# KiCad board ovc5.kicad_pcb
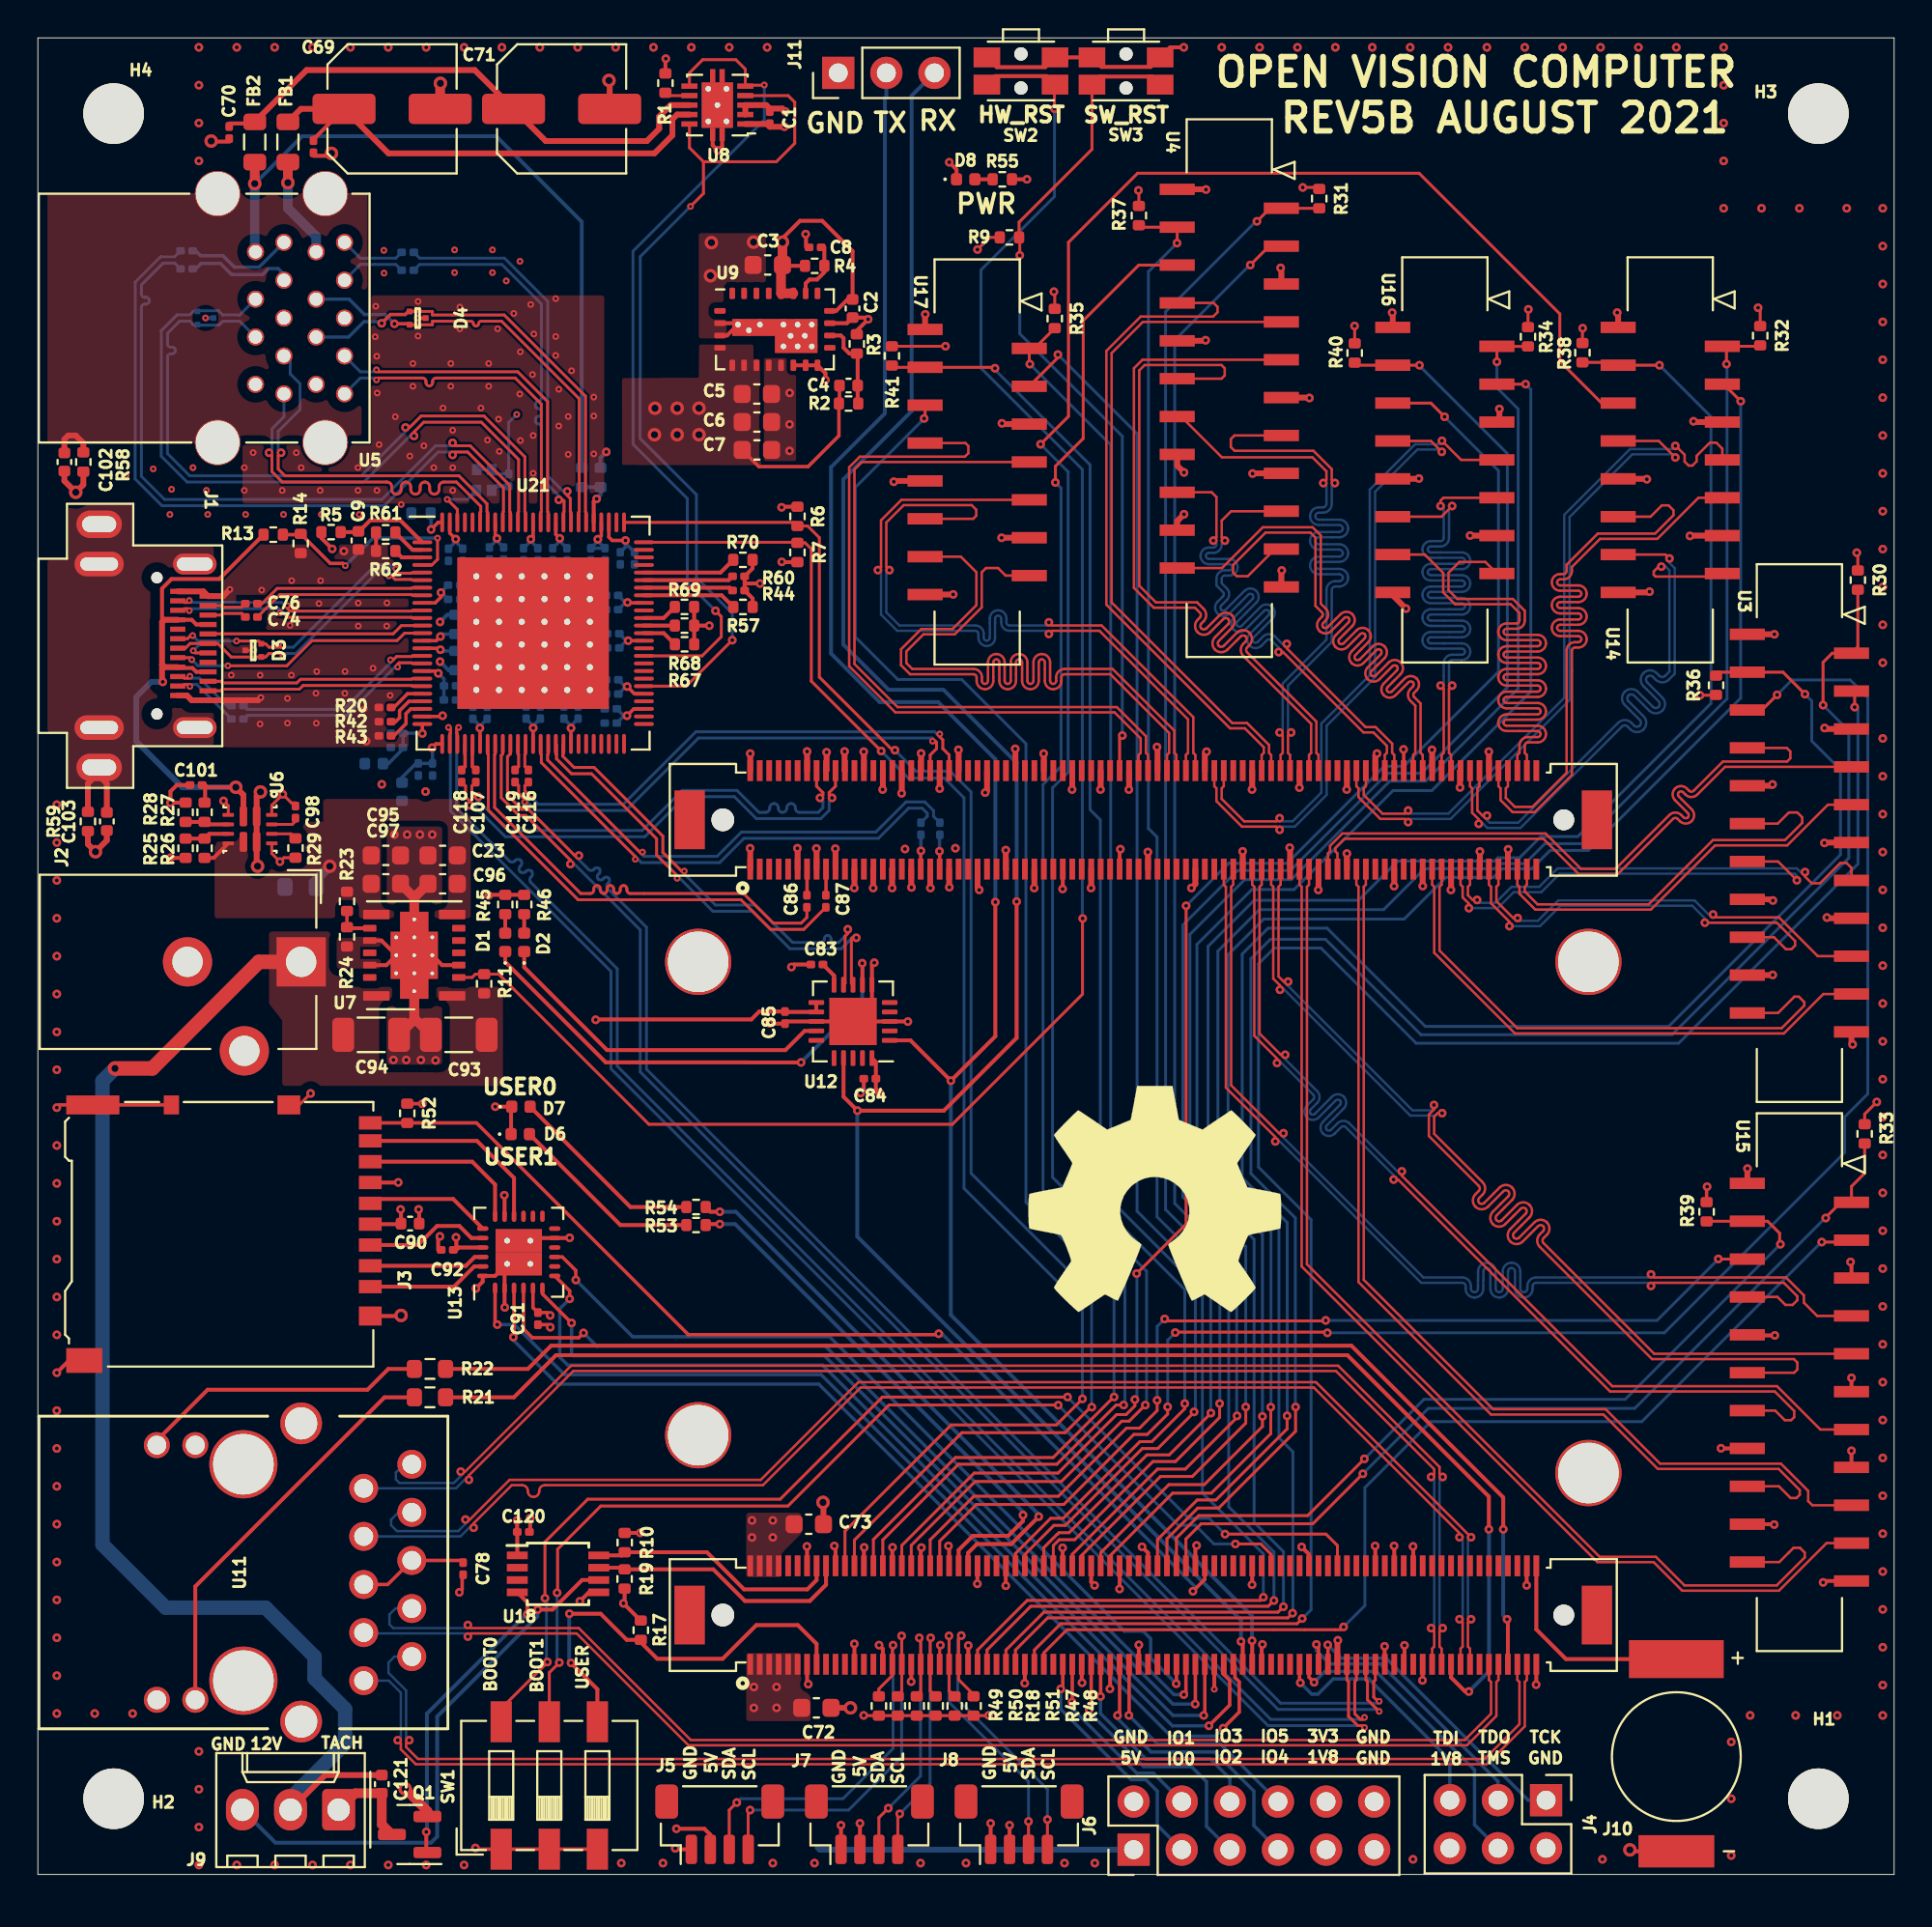
[diagram p0: board, top side]
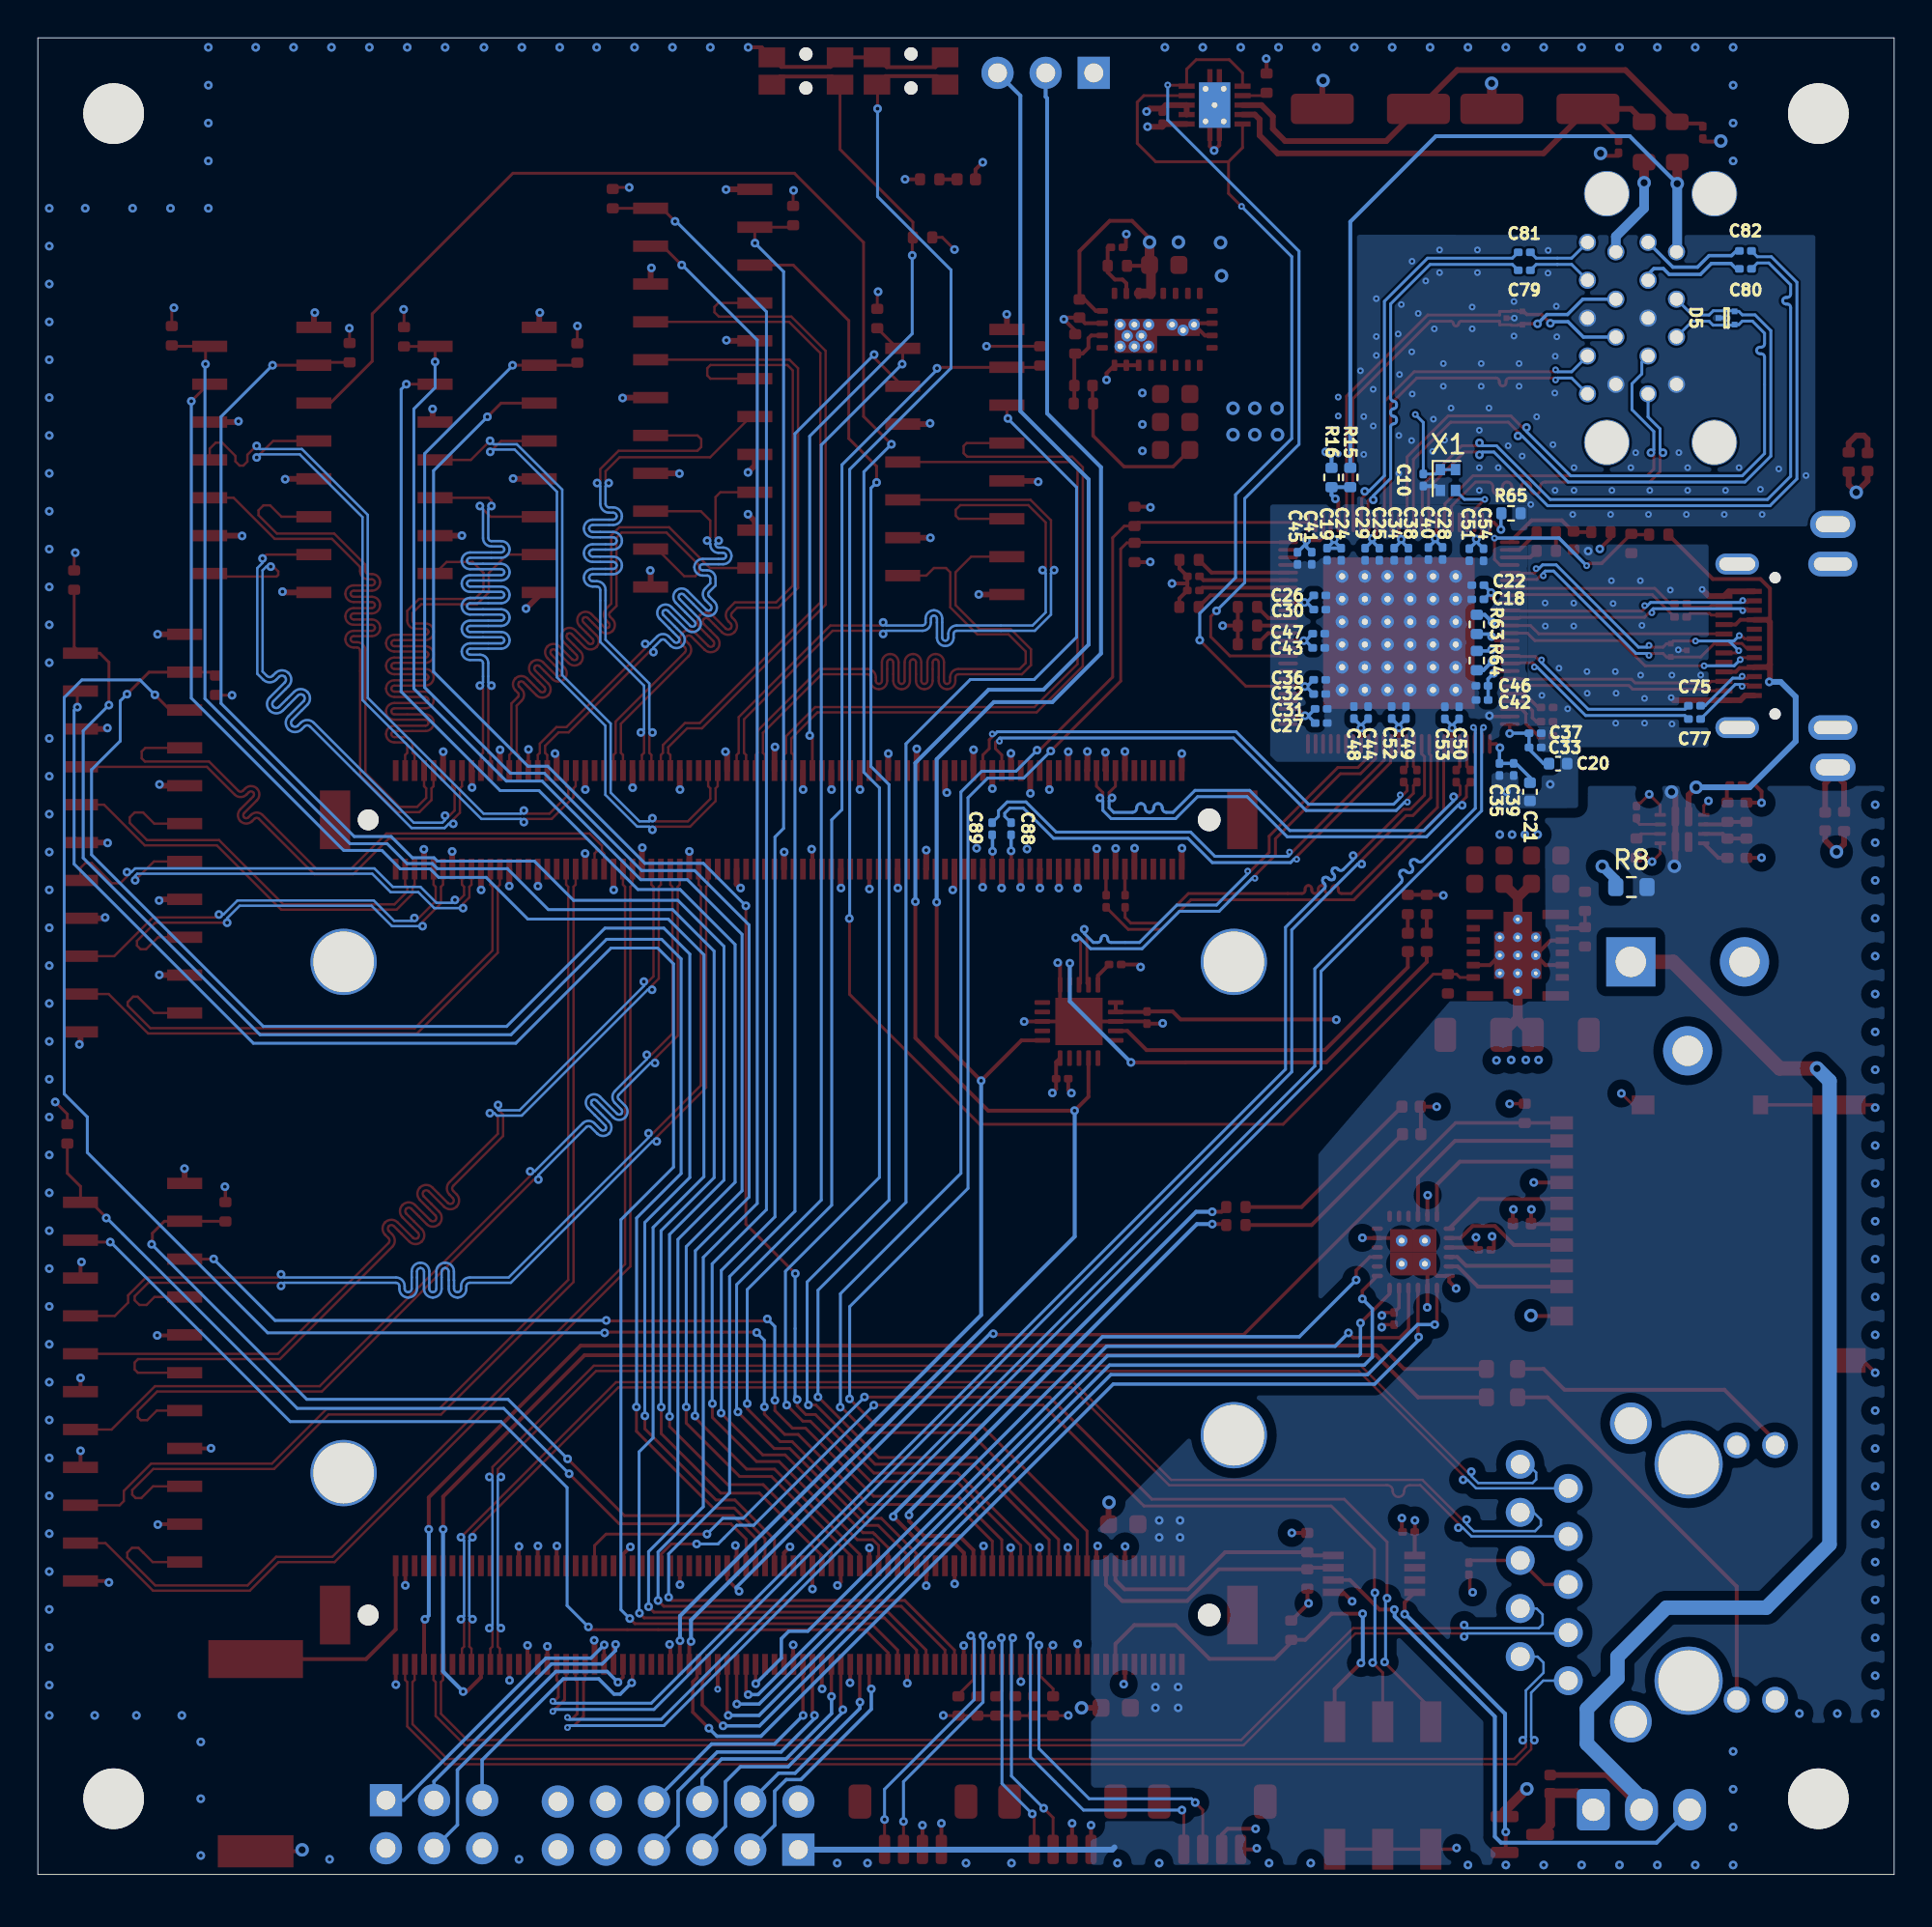
[diagram p1: board, bottom side, seen from below]

Outline 98 x 97 mm; copper layers: Top, In1.Cu, In2.Cu, In3.Cu, In4.Cu, Bottom. Coordinates in mm from the lower left corner of the outline.
Outline path: 0,97 0,0 98,0 98,97 0,97
Stack: Top 0.035mm / dielectric 0.268mm FR4 er 4.5 / In1.Cu 0.035mm / dielectric 0.268mm FR4 er 4.5 / In2.Cu 0.035mm / dielectric 0.268mm FR4 er 4.5 / In3.Cu 0.035mm / dielectric 0.268mm FR4 er 4.5 / In4.Cu 0.035mm / dielectric 0.268mm FR4 er 4.5 / Bottom 0.035mm

## Placement (name value [footprint] x y rotation side)
C1  100n  [C_0201_0603Metric]  38.64 92.78 270 top
C2  1u  [C_0402_1005Metric]  43.01 82.71 270 top
C3  22u  [C_0603_1608Metric]  38.53 85.01 180 top
C4  10p  [C_0402_1005Metric]  42.8 78.64 0 top
C5  22u  [C_0603_1608Metric]  37.95 78.19 0 top
C6  22u  [C_0603_1608Metric]  37.96 76.71 0 top
C7  22u  [C_0603_1608Metric]  37.96 75.24 0 top
C8  100n  [C_0201_0603Metric]  41.03 85.94 180 top
C9  1u  [C_0402_1005Metric]  16.92 70.46 270 top
C10  100n  [C_0201_0603Metric]  24.86 73.65 90 bottom
C18  100n  [C_0201_0603Metric]  21.98 67.35 0 bottom
C19  100n  [C_0201_0603Metric]  29.94 69.73 270 bottom
C20  4u7  [C_0402_1005Metric]  17.74 58.67 180 bottom
C21  4u7  [C_0402_1005Metric]  19.23 57.18 270 bottom
C22  1n  [C_0201_0603Metric]  21.98 68.09 0 bottom
C23  22u  [C_0603_1608Metric]  21.37 53.82 180 top
C24  1n  [C_0201_0603Metric]  29.19 69.73 270 bottom
C25  100n  [C_0201_0603Metric]  27.18 69.72 270 bottom
C26  100n  [C_0201_0603Metric]  30.32 67.55 180 bottom
C27  100n  [C_0201_0603Metric]  30.25 60.81 180 bottom
C28  1n  [C_0201_0603Metric]  23.84 69.77 270 bottom
C29  1n  [C_0201_0603Metric]  27.93 69.73 270 bottom
C30  1n  [C_0201_0603Metric]  30.32 66.8 180 bottom
C31  1n  [C_0201_0603Metric]  30.25 61.56 180 bottom
C32  100n  [C_0201_0603Metric]  30.33 62.34 180 bottom
C33  100n  [C_0201_0603Metric]  18.95 59.53 180 bottom
C34  100n  [C_0201_0603Metric]  26.39 69.73 270 bottom
C35  100n  [C_0201_0603Metric]  20.84 58.36 270 bottom
C36  1n  [C_0201_0603Metric]  30.33 63.1 180 bottom
C37  1n  [C_0201_0603Metric]  18.95 60.28 180 bottom
C38  1n  [C_0201_0603Metric]  25.64 69.73 270 bottom
C39  1n  [C_0201_0603Metric]  20.09 58.36 270 bottom
C40  100n  [C_0201_0603Metric]  24.59 69.76 270 bottom
C41  100n  [C_0201_0603Metric]  30.75 69.51 270 bottom
C42  100n  [C_0201_0603Metric]  21.75 62.03 0 bottom
C43  100n  [C_0201_0603Metric]  30.38 64.78 180 bottom
C44  100n  [C_0201_0603Metric]  27.77 61.37 90 bottom
C45  1n  [C_0201_0603Metric]  31.5 69.51 270 bottom
C46  1n  [C_0201_0603Metric]  21.76 62.78 0 bottom
C47  1n  [C_0201_0603Metric]  30.38 65.53 180 bottom
C48  1n  [C_0201_0603Metric]  28.52 61.37 90 bottom
C49  100n  [C_0201_0603Metric]  25.77 61.37 90 bottom
C50  100n  [C_0201_0603Metric]  22.97 61.35 90 bottom
C51  100n  [C_0201_0603Metric]  22.43 69.7 270 bottom
C52  1n  [C_0201_0603Metric]  26.53 61.37 90 bottom
C53  1n  [C_0201_0603Metric]  23.72 61.35 90 bottom
C54  1n  [C_0201_0603Metric]  21.68 69.7 270 bottom
C68  100n  [C_0201_0603Metric]  14.55 91.25 270 top
C69  150u  [C_Elec_6.3x7.7]  18.7 93.25 0 top
C70  100n  [C_0201_0603Metric]  10.1 92 270 top
C71  150u  [C_Elec_6.3x7.7]  27.65 93.25 0 top
C72  22u  [C_0603_1608Metric]  41.1 8.8 0 top
C73  22u  [C_0603_1608Metric]  40.7 18.5 0 top
C74  100n  [C_0201_0603Metric]  11.27 66.42 0 top
C75  100n  [C_0201_0603Metric]  10.54 61.72 0 bottom
C76  100n  [C_0201_0603Metric]  11.27 67.12 0 top
C77  100n  [C_0201_0603Metric]  10.54 61.02 0 bottom
C78  100n  [C_0201_0603Metric]  22.45 16.15 270 top
C79  100n  [C_0201_0603Metric]  19.52 84.72 0 bottom
C80  100n  [C_0201_0603Metric]  7.85 84.8 180 bottom
C81  100n  [C_0201_0603Metric]  19.52 85.67 0 bottom
C82  100n  [C_0201_0603Metric]  7.85 85.75 180 bottom
C83  100n  [C_0201_0603Metric]  41.13 48.06 0 top
C84  100n  [C_0201_0603Metric]  43.92 42.03 0 top
C85  100n  [C_0201_0603Metric]  39.44 45.26 270 top
C86  100n  [C_0201_0603Metric]  40.6 51.4 90 top
C87  100n  [C_0201_0603Metric]  41.6 51.4 90 top
C88  100n  [C_0201_0603Metric]  46.62 55.23 270 bottom
C89  100n  [C_0201_0603Metric]  47.62 55.23 270 bottom
C90  1u  [C_0402_1005Metric]  19.65 34.38 180 top
C91  100n  [C_0201_0603Metric]  26.4 29.36 90 top
C92  100n  [C_0201_0603Metric]  21.61 32.99 180 top
C93  10u  [C_1206_3216Metric]  22.22 44.35 180 top
C94  10u  [C_1206_3216Metric]  17.59 44.35 0 top
C95  22u  [C_0603_1608Metric]  18.37 53.82 0 top
C96  22u  [C_0603_1608Metric]  21.37 52.32 180 top
C97  22u  [C_0603_1608Metric]  18.37 52.32 0 top
C98  100n  [C_0201_0603Metric]  13.6 56.11 90 top
C101  100n  [C_0201_0603Metric]  8.35 57.54 180 top
C102  2n2  [C_0402_1005Metric]  1.4 74.6 90 top
C103  2n2  [C_0402_1005Metric]  3.64 55.61 90 top
C107  100n  [C_0201_0603Metric]  23.12 58.01 270 top
C116  100n  [C_0201_0603Metric]  25.9 58.01 270 top
C118  100n  [C_0201_0603Metric]  22.37 58.01 270 top
C119  100n  [C_0201_0603Metric]  25.2 58.01 270 top
C120  100n  [C_0201_0603Metric]  25.63 18.09 180 top
C121  1u  [C_0402_1005Metric]  18.16 4.77 270 top
D1  LED_Small  [LED_0402_1005Metric]  24.67 49.23 90 top
D2  LED_Small  [LED_0402_1005Metric]  25.67 49.23 90 top
D3  D_TVS_Dual_AAC  [TPD2EUSB30x]  11.37 64.65 90 top
D4  D_TVS_Dual_AAC  [TPD2EUSB30x]  20.05 82.2 270 top
D5  D_TVS_Dual_AAC  [TPD2EUSB30x]  8.85 82.21 90 bottom
D6  LED_Small  [LED_0402_1005Metric]  25.47 39.1 0 top
D7  LED_Small  [LED_0402_1005Metric]  25.5 40.55 0 top
D8  LED_Small  [LED_0402_1005Metric]  48.98 89.53 0 top
FB1  MH2029-100Y  [L_0805_2012Metric]  13.2 91.5 270 top
FB2  MH2029-100Y  [L_0805_2012Metric]  11.45 91.5 270 top
H1  MountingHole  [MountingHole_3.2mm_M3]  94 4 0 top
H2  MountingHole  [MountingHole_3.2mm_M3]  4 4 0 top
H3  MountingHole  [MountingHole_3.2mm_M3]  94 93 0 top
H4  MountingHole  [MountingHole_3.2mm_M3]  4 93 0 top
J1  USB_C_Receptacle  [Amphenol_12402056E512A]  3.23 64.89 270 top
J2  AUX_PWR  [BarrelJack_CUI_PJ-102AH_Horizontal]  13.9 48.2 270 top
J3  Micro_SD_Card_Det_Hirose_DM3AT  [microSD_HC_Hirose_DM3AT-SF-PEJM5]  9.83 33.82 270 top
J4  JTAG  [PinHeader_2x03_P2.54mm_Vertical]  79.62 3.92 270 top
J5  Conn_01x04  [JST_SH_BM04B-SRSS-TB_1x04-1MP_P1.00mm_Vertical]  36 2.65 0 top
J6  Conn_02x06_Odd_Even  [PinHeader_2x06_P2.54mm_Vertical]  57.85 1.31 90 top
J7  Conn_01x04  [JST_SH_BM04B-SRSS-TB_1x04-1MP_P1.00mm_Vertical]  43.9 2.65 0 top
J8  Conn_01x04  [JST_SH_BM04B-SRSS-TB_1x04-1MP_P1.00mm_Vertical]  51.8 2.65 0 top
J9  Conn_01x03  [Molex_KK-254_AE-6410-03A_1x03_P2.54mm_Vertical]  15.88 3.42 180 top
J10  Conn_01x02  [ELNA_DSK-3R3H224U-HL]  86.5 6.22 0 top
J11  Conn_01x03  [PinHeader_1x03_P2.54mm_Vertical]  42.25 95.15 90 top
LOGO1  Logo_Open_Hardware_Large  [OSHW-Symbol_13.4x12mm_SilkScreen]  58.95 35.65 0 top
Q1  Q_NMOS_GSD  [SOT-23]  19.63 2.11 180 top
R1  47k  [R_0402_1005Metric]  33.13 94.61 90 top
R2  348k  [R_0402_1005Metric]  42.8 77.69 0 top
R3  357k  [R_0402_1005Metric]  43.23 80.84 90 top
R4  47k  [R_0402_1005Metric]  41.01 84.96 0 top
R5  20k  [R_0402_1005Metric]  15.48 70.9 0 top
R6  4.7k  [R_0402_1005Metric]  40.1 71.73 90 top
R7  4.7k  [R_0402_1005Metric]  40.1 69.82 270 top
R8  JMP  [R_0603_1608Metric]  13.87 52.15 180 bottom
R9  47k  [R_0402_1005Metric]  51.29 86.46 0 top
R10  4.7k  [R_0402_1005Metric]  30.98 17.53 90 top
R11  47k  [R_0402_1005Metric]  23.56 47.04 90 top
R13  43k  [R_0402_1005Metric]  12.43 70.76 180 top
R14  49.9k  [R_0402_1005Metric]  13.87 70.3 90 top
R15  43k  [R_0402_1005Metric]  28.71 73.78 90 bottom
R16  49.9k  [R_0402_1005Metric]  29.7 73.78 270 bottom
R17  10k  [R_0402_1005Metric]  31.83 12.9 270 top
R18  2k4  [R_0402_1005Metric]  45.4 8.9 270 top
R19  4.7k  [R_0402_1005Metric]  30.98 15.61 270 top
R20  200k  [R_0201_0603Metric]  18.33 61.63 0 top
R21  110R  [R_0603_1608Metric]  20.7 25.2 0 top
R22  110R  [R_0603_1608Metric]  20.7 26.7 0 top
R23  10k  [R_0402_1005Metric]  16.32 51.4 270 top
R24  2k4  [R_0402_1005Metric]  16.32 49.52 270 top
R25  47k  [R_0402_1005Metric]  8.8 54.2 90 top
R26  10k  [R_0402_1005Metric]  7.8 54.2 270 top
R27  47k  [R_0402_1005Metric]  8.8 56.1 270 top
R28  10k  [R_0402_1005Metric]  7.8 56.1 90 top
R29  20k  [R_0402_1005Metric]  13.6 54.21 270 top
R30  2k4  [R_0402_1005Metric]  96.09 68.36 270 top
R31  2k4  [R_0402_1005Metric]  67.65 88.51 270 top
R32  2k4  [R_0402_1005Metric]  90.93 81.27 270 top
R33  2k4  [R_0402_1005Metric]  96.44 39.11 270 top
R34  2k4  [R_0402_1005Metric]  78.67 81.21 270 top
R35  2k4  [R_0402_1005Metric]  53.69 82.18 270 top
R36  2k4  [R_0402_1005Metric]  88.6 62.81 90 top
R37  2k4  [R_0402_1005Metric]  58.13 87.62 270 top
R38  2k4  [R_0402_1005Metric]  81.54 80.37 270 top
R39  2k4  [R_0402_1005Metric]  88.1 35 270 top
R40  2k4  [R_0402_1005Metric]  69.52 80.36 270 top
R41  2k4  [R_0402_1005Metric]  45.09 80.2 270 top
R42  200k  [R_0201_0603Metric]  18.33 60.89 0 top
R43  200k  [R_0201_0603Metric]  18.33 60.14 0 top
R44  200k  [R_0201_0603Metric]  37 67.81 180 top
R45  220R  [R_0402_1005Metric]  24.67 51.23 270 top
R46  220R  [R_0402_1005Metric]  25.67 51.23 270 top
R47  2k4  [R_0402_1005Metric]  47.4 8.9 270 top
R48  2k4  [R_0402_1005Metric]  49.4 8.9 270 top
R49  2k4  [R_0402_1005Metric]  44.4 8.9 90 top
R50  2k4  [R_0402_1005Metric]  46.4 8.9 90 top
R51  2k4  [R_0402_1005Metric]  48.4 8.9 90 top
R52  10k  [R_0402_1005Metric]  19.5 40.2 270 top
R53  220R  [R_0402_1005Metric]  34.75 34.3 180 top
R54  220R  [R_0402_1005Metric]  34.75 35.25 180 top
R55  220R  [R_0402_1005Metric]  50.92 89.53 180 top
R57  100k  [R_0402_1005Metric]  37.23 66.94 180 top
R58  100k  [R_0402_1005Metric]  2.4 74.6 270 top
R59  100k  [R_0402_1005Metric]  2.64 55.61 270 top
R60  200k  [R_0201_0603Metric]  36.99 68.56 180 top
R61  10k  [R_0402_1005Metric]  18.36 70.88 180 top
R62  10k  [R_0402_1005Metric]  18.36 69.9 180 top
R63  10k  [R_0402_1005Metric]  22.03 66.02 270 bottom
R64  10k  [R_0402_1005Metric]  22.03 64.11 90 bottom
R65  12k  [R_0402_1005Metric]  20.23 71.89 0 bottom
R67  10k  [R_0402_1005Metric]  34.14 64.97 180 top
R68  10k  [R_0402_1005Metric]  34.14 65.96 180 top
R69  10k  [R_0402_1005Metric]  34.14 66.95 180 top
R70  100k  [R_0402_1005Metric]  37.22 69.43 180 top
SW1  SW_DIP_x03  [SW_DIP_SPSTx03_Slide_6.7x9.18mm_W6.73mm_P2.54mm_LowProfile_JPin]  27 4.7 90 top
SW2  Reset_Hardware  [SW_SPST_EVQP7C]  51.9 95.25 180 top
SW3  Reset_Software  [SW_SPST_EVQP7C]  57.45 95.25 180 top
U1  Mercury_XU5_4CG-4EV-5EV  [Mercury_XU5]  58.36 34.7 180 top
U3  PICAM_Expandable_Reversed  [AMPHENOL_SFW22S]  93 55 270 top
U4  PICAM_Expandable_Reversed  [AMPHENOL_SFW22S]  62.9 78.5 270 top
U5  -  [USB3_A_Dual_Stacked]  10.2 82.2 0 top
U6  TPS2121  [Texas_VQFN-HR-12_2x2.5_Pitch0.5mm]  11.2 55.21 270 top
U7  TPSM53604RDA  [Texas_B3QFN-14-1EP_5x5.5mm_P0.65mm_ThermalVia]  19.87 48.55 180 top
U8  TPS2561  [VSON-10-1EP_3x3mm_P0.5mm_EP1.65x2.4mm_ThermalVias]  35.88 93.45 180 top
U9  EN5339QI  [Converter_DCDC_Intel_QFN-24_4x6mm_P0.65mm_ThermalVias]  38.91 81.61 0 top
U11  -  [ARJ11C-MBSAS-A-BA-7MU2]  10.85 15.95 270 top
U12  FT231XQ  [QFN-20-1EP_4x4mm_P0.5mm_EP2.5x2.5mm]  43.03 45.05 180 top